# KiCad board led_mapper_850.kicad_pcb (continued)
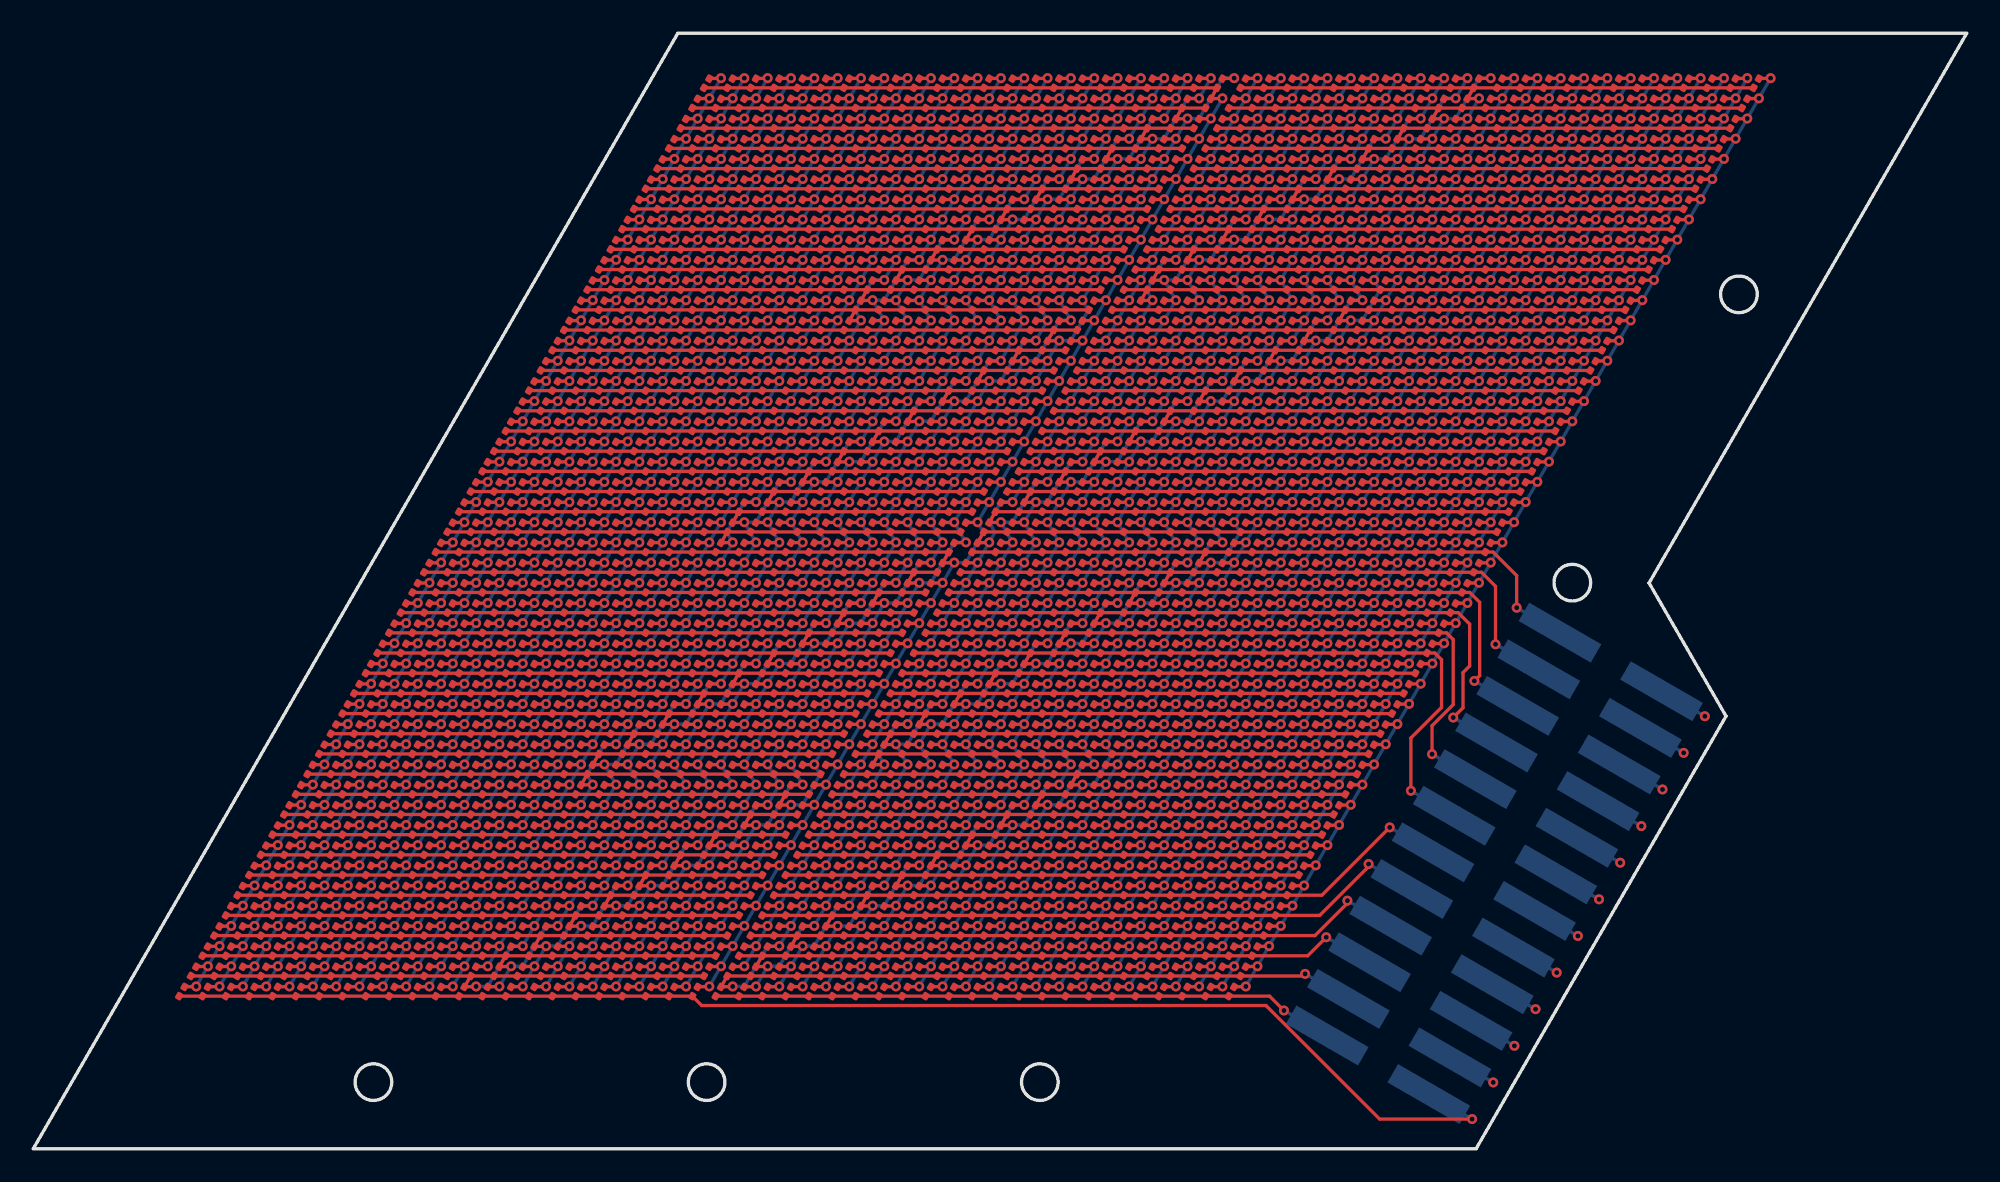
[diagram p0: board, top side]
## Routing (per net, layer and track width the routed paths; a pad name or vN(x,y) marks a point on that pad's centre or on a via; arc(x,y) is an arc through that point) (continued)
/P12: length 353.7
  Top w0.2: D1760.2 v1(27.28,13.38) ; D1622.2 v1(25.18,9.75) ; D104.2 v1(55.28,61.88) ; D426.2 v1(50.38,53.39) ; D886.2 v1(46.18,46.12) ; v1(86.78,63.09) D80.2 D34.1 ; D634.2 v1(73.48,40.06) ; D1922.2 v1(60.88,18.23) ; v1(70.68,35.21) D1138.2 D1092.1 ; D1852.2 v1(28.68,15.81) ; D702.2 v1(43.38,41.27) ; D150.2 v1(54.58,60.67) ; D264.2 v1(83.98,58.24) ; D2014.2 v1(62.28,20.66) ; D2036.2 v1(31.48,20.66) ; D772.2 v1(75.58,43.69) ; D680.2 v1(74.18,41.27) ; v1(79.08,49.76) D1002.2 D1048.1 ; D1668.2 v1(25.88,10.96) ; D196.2 v1(53.88,59.46) ; D910.2 v1(77.68,47.33) ; D218.2 v1(84.68,59.46) ; D1830.2 v1(59.48,15.81) ; D1646.2 v1(56.68,10.96) ; D1116.2 v1(39.88,35.21) ; D380.2 v1(51.08,54.61) ; D1036.1 D1058.1 ; D1322.2 v1(67.88,30.36) ; D288.2 v1(52.48,57.03) ; D748.2 v1(44.08,42.48) ; D1208.2 v1(38.48,32.78) ; D1898.2 v1(29.38,17.02) ; D588.2 v1(72.78,38.84) ; D542.2 v1(72.08,37.63) ; D1484.2 v1(34.28,25.51) ; D1460.2 v1(65.78,26.72) ; D794.2 v1(44.78,43.69) ; D24.1 D46.1 ; D726.2 v1(74.88,42.48) ; D518.2 v1(48.98,50.97) ; D448.2 v1(81.18,53.39) ; D864.2 v1(76.98,46.12) ; D1300.2 v1(37.08,30.36) ; v1(62.98,21.87) D2060.2 D2106.1 ; D1600.2 v1(55.98,9.75) ; D1230.2 v1(69.28,32.78) ; D2094.1 D2116.1 ; D1944.2 v1(30.08,18.23) ; D1506.2 v1(65.08,25.51) ; D126.2 v1(86.08,61.88) ; D12.2 v1(56.68,64.31) ; D1392.2 v1(35.68,27.93) ; D334.2 v1(51.78,55.82) ; D1368.2 v1(67.18,29.15) ; D1806.2 v1(27.98,14.6) ; D1346.2 v1(36.38,29.15) ; D932.2 v1(46.88,47.33) ; D818.2 v1(76.28,44.91) ; D610.2 v1(41.98,38.84) ; D1552.2 v1(64.38,24.3) ; v1(89.04,32.5) 89.04,34.43 87.62,35.84 D1104.1 D1082.1 ; D656.2 v1(42.68,40.06) ; D1414.2 v1(66.48,27.93) ; D494.2 v1(80.48,52.18) ; D58.2 v1(55.98,63.09) ; D402.2 v1(81.88,54.61) ; D956.2 v1(78.38,48.54) ; D1784.2 v1(58.78,14.6) ; D1990.2 v1(30.78,19.45) ; D310.2 v1(83.28,57.03) ; D1714.2 v1(26.58,12.17) ; D1162.2 v1(39.18,33.99) ; D1692.2 v1(57.38,12.17) ; D1876.2 v1(60.18,17.02) ; D172.2 v1(85.38,60.67) ; D1070.2 v1(40.58,36.42) ; D472.2 v1(49.68,52.18) ; D1576.2 v1(32.88,23.08) ; D1276.2 v1(68.58,31.57) ; D978.2 v1(47.58,48.54) ; D1530.2 v1(33.58,24.3) ; D1738.2 v1(58.08,13.38) ; D840.2 v1(45.48,44.91) ; D242.2 v1(53.18,58.24) ; D564.2 v1(41.28,37.63) ; D1968.2 v1(61.58,19.45) ; D1254.2 v1(37.78,31.57) ; D1184.2 v1(69.98,33.99) ; D1024.2 v1(48.28,49.76) ; D356.2 v1(82.58,55.82) ; D1438.2 v1(34.98,26.72) ; D2082.2 v1(32.18,21.87)
  In2.Cu w0.2: v1(78.38,48.54) 78.03,49.15 47.93,49.15 v1(47.58,48.54)
  Bottom w0.2: J1.12 v1(89.04,32.5) ; v1(55.98,9.75) v1(62.98,21.87) 63.68,21.87 64.73,23.69 v1(64.38,24.3) v1(70.68,35.21) 71.38,35.21 72.43,37.03 v1(72.08,37.63) v1(79.08,49.76) 79.78,49.76 80.83,51.58 v1(80.48,52.18) v1(86.78,63.09) ; v1(56.68,64.31) v1(25.18,9.75)
/P13: length 431
  Top w0.2: D839.2 v1(46.88,44.91) ; D81.2 v1(88.18,63.09) ; D1047.2 v1(81.18,50.97) ; D151.2 v1(55.98,60.67) ; D1093.2 v1(72.78,36.42) ; D793.2 v1(46.18,43.69) ; D817.2 v1(77.68,44.91) ; D219.2 v1(86.08,59.46) ; D1565.1 D1587.1 ; v1(86.36,1.78) 80.81,1.78 73.99,8.6 40.12,8.6 D1611.1 D1633.1 ; D507.1 D529.1 ; D1323.2 v1(69.28,30.36) ; D1277.2 v1(69.98,31.57) ; D679.2 v1(75.58,41.27) ; D1599.2 v1(57.38,9.75) ; D771.2 v1(76.98,43.69) ; D449.2 v1(82.58,53.39) ; D1209.2 v1(39.88,32.78) ; D1255.2 v1(39.18,31.57) ; D13.2 v1(58.08,64.31) ; D1231.2 v1(70.68,32.78) ; D289.2 v1(53.88,57.03) ; D427.2 v1(51.78,53.39) ; D35.2 v1(88.88,64.31) ; D1415.2 v1(67.88,27.93) ; D1805.2 v1(29.38,14.6) ; D473.2 v1(51.08,52.18) ; v1(41.98,36.42) D1071.2 D563.1 ; D105.2 v1(56.68,61.88) ; D495.2 v1(81.88,52.18) ; D127.2 v1(87.48,61.88) ; D519.1 D1023.2 v1(49.68,49.76) ; D1369.2 v1(68.58,29.15) ; D885.2 v1(47.58,46.12) ; D1185.2 v1(71.38,33.99) ; D955.2 v1(79.78,48.54) ; D725.2 v1(76.28,42.48) ; D2035.2 v1(32.88,20.66) ; D1001.2 v1(80.48,49.76) ; D2105.2 v1(65.08,23.08) ; D2059.2 v1(64.38,21.87) ; v1(33.58,21.87) D2081.2 D1577.1 ; D1667.2 v1(27.28,10.96) ; D311.2 v1(84.68,57.03) ; D1943.2 v1(31.48,18.23) ; D265.2 v1(85.38,58.24) ; D1531.2 v1(34.98,24.3) ; D655.2 v1(44.08,40.06) ; D1645.2 v1(58.08,10.96) ; D1301.2 v1(38.48,30.36) ; D357.2 v1(83.98,55.82) ; D1461.2 v1(67.18,26.72) ; D1139.2 v1(72.08,35.21) ; D541.2 v1(73.48,37.63) ; D609.2 v1(43.38,38.84) ; D2013.2 v1(63.68,20.66) ; D335.2 v1(53.18,55.82) ; D553.1 D575.1 ; D1553.2 v1(65.78,24.3) ; D1967.2 v1(62.98,19.45) ; D701.2 v1(44.78,41.27) ; D1829.2 v1(60.88,15.81) ; D587.2 v1(74.18,38.84) ; D1691.2 v1(58.78,12.17) ; D1851.2 v1(30.08,15.81) ; D1875.2 v1(61.58,17.02) ; D1783.2 v1(60.18,14.6) ; D1989.2 v1(32.18,19.45) ; D59.2 v1(57.38,63.09) ; D1921.2 v1(62.28,18.23) ; D173.2 v1(86.78,60.67) ; D1897.2 v1(30.78,17.02) ; D909.2 v1(79.08,47.33) ; D381.2 v1(52.48,54.61) ; D633.2 v1(74.88,40.06) ; D1759.2 v1(28.68,13.38) ; D1163.2 v1(40.58,33.99) ; D1737.2 v1(59.48,13.38) ; D403.2 v1(83.28,54.61) ; D1713.2 v1(27.98,12.17) ; D243.2 v1(54.58,58.24) ; D1347.2 v1(37.78,29.15) ; D977.2 v1(48.98,48.54) ; D1507.2 v1(66.48,25.51) ; D863.2 v1(78.38,46.12) ; D1393.2 v1(37.08,27.93) ; D197.2 v1(55.28,59.46) ; D1117.2 v1(41.28,35.21) ; D747.2 v1(45.48,42.48) ; D1439.2 v1(36.38,26.72) ; D1485.2 v1(35.68,25.51) ; D931.2 v1(48.28,47.33)
  In2.Cu w0.2: v1(80.48,49.76) 80.13,50.36 50.03,50.36 v1(49.68,49.76) ; v1(65.78,24.3) 65.43,23.69 73.83,9.14 74.43,7.2 v1(86.36,1.78)
  Bottom w0.2: v1(88.88,64.31) v1(57.38,9.75) ; v1(27.28,10.96) v1(33.58,21.87) 33.23,22.48 34.28,24.3 v1(34.98,24.3) v1(41.98,36.42) 41.63,37.03 42.68,38.84 v1(43.38,38.84) v1(49.68,49.76) 49.33,50.36 50.38,52.18 v1(51.08,52.18) v1(58.08,64.31) ; J1.13 v1(86.36,1.78)
/P14: length 386.3
  Top w0.2: D1462.2 v1(68.58,26.72) ; D1667.1 D1621.2 v1(26.58,9.75) ; D1278.2 v1(71.38,31.57) ; D1712.2 v1(29.38,12.17) ; D266.2 v1(86.78,58.24) ; D450.2 v1(83.98,53.39) ; v1(42.68,37.63) D563.2 D609.1 ; D1370.2 v1(69.98,29.15) ; D1942.2 v1(32.88,18.23) ; D1416.2 v1(69.28,27.93) ; D1644.2 v1(59.48,10.96) ; D1000.2 v1(81.88,49.76) ; D60.2 v1(58.78,63.09) ; D1348.2 v1(39.18,29.15) ; D1966.2 v1(64.38,19.45) ; D1022.2 v1(51.08,49.76) ; D724.2 v1(77.68,42.48) ; D382.2 v1(53.88,54.61) ; D1186.2 v1(72.78,33.99) ; D1598.2 v1(58.78,9.75) ; D678.2 v1(76.98,41.27) ; D1232.2 v1(72.08,32.78) ; D1440.2 v1(37.78,26.72) ; D1210.2 v1(41.28,32.78) ; D1140.2 v1(73.48,35.21) ; D1554.2 v1(67.18,24.3) ; D792.2 v1(47.58,43.69) ; D336.2 v1(54.58,55.82) ; D1736.2 v1(60.88,13.38) ; D2034.2 v1(34.28,20.66) ; D106.2 v1(58.08,61.88) ; D496.2 v1(83.28,52.18) ; D461.1 D483.1 ; D128.2 v1(88.88,61.88) ; D82.2 v1(89.58,63.09) ; D1118.2 v1(42.68,35.21) ; D599.1 D621.1 ; D838.2 v1(48.28,44.91) ; D473.1 D519.2 v1(50.38,50.97) ; D152.2 v1(57.38,60.67) ; D700.2 v1(46.18,41.27) ; D1302.2 v1(39.88,30.36) ; D1046.2 v1(82.58,50.97) ; D1394.2 v1(38.48,27.93) ; D36.2 v1(90.28,64.31) ; D632.2 v1(76.28,40.06) ; D862.2 v1(79.78,46.12) ; D2058.2 v1(65.78,21.87) ; D1486.2 v1(37.08,25.51) ; D1508.2 v1(67.88,25.51) ; D586.2 v1(75.58,38.84) ; D1531.1 D1577.2 v1(34.28,23.08) ; D2104.2 v1(66.48,23.08) ; D290.2 v1(55.28,57.03) ; D244.2 v1(55.98,58.24) ; D1804.2 v1(30.78,14.6) ; D1850.2 v1(31.48,15.81) ; D1874.2 v1(62.98,17.02) ; D1519.1 D1541.1 ; D1782.2 v1(61.58,14.6) ; D1896.2 v1(32.18,17.02) ; D1094.2 v1(74.18,36.42) ; D428.2 v1(53.18,53.39) ; D540.2 v1(74.88,37.63) ; D1072.2 v1(43.38,36.42) ; D220.2 v1(87.48,59.46) ; D174.2 v1(88.18,60.67) ; D198.2 v1(56.68,59.46) ; D358.2 v1(85.38,55.82) ; D908.2 v1(80.48,47.33) ; D1828.2 v1(62.28,15.81) ; D2080.2 v1(34.98,21.87) ; D930.2 v1(49.68,47.33) ; D884.2 v1(48.98,46.12) ; D976.2 v1(50.38,48.54) ; D1920.2 v1(63.68,18.23) ; D1988.2 v1(33.58,19.45) ; D2012.2 v1(65.08,20.66) ; D1758.2 v1(30.08,13.38) ; D312.2 v1(86.08,57.03) ; D746.2 v1(46.88,42.48) ; D1324.2 v1(70.68,30.36) ; D1164.2 v1(41.98,33.99) ; D14.2 v1(59.48,64.31) ; D770.2 v1(78.38,43.69) ; D1657.1 D1679.1 ; D1690.2 v1(60.18,12.17) ; D654.2 v1(45.48,40.06) ; D404.2 v1(84.68,54.61) ; D816.2 v1(79.08,44.91) ; D954.2 v1(81.18,48.54) ; D1256.2 v1(40.58,31.57)
  In2.Cu w0.2: v1(87.63,3.98) 75.7,9.4 74.53,10.35 66.83,23.69 v1(67.18,24.3) ; v1(82.58,50.97) 82.23,51.58 50.73,51.58 v1(50.38,50.97)
  Bottom w0.2: v1(59.48,64.31) v1(53.18,53.39) 52.48,53.39 51.08,50.97 v1(50.38,50.97) v1(51.08,49.76) v1(45.48,40.06) 44.78,40.06 43.38,37.63 v1(42.68,37.63) v1(43.38,36.42) v1(37.08,25.51) 36.38,25.51 34.98,23.08 v1(34.28,23.08) v1(34.98,21.87) v1(29.38,12.17) 28.68,12.17 27.28,9.75 v1(26.58,9.75) ; v1(90.28,64.31) v1(58.78,9.75) ; J1.14 v1(87.63,3.98)
/P15: length 385.1
  Top w0.2: D1620.2 v1(27.98,9.75) ; D359.2 v1(86.78,55.82) ; D1417.2 v1(70.68,27.93) ; D631.2 v1(77.68,40.06) ; D907.2 v1(81.88,47.33) ; D313.2 v1(87.48,57.03) ; D1165.2 v1(43.38,33.99) ; D1597.2 v1(60.18,9.75) ; D1941.2 v1(34.28,18.23) ; D1473.1 D1495.1 ; D497.2 v1(84.68,52.18) ; D645.1 D667.1 ; D791.2 v1(48.98,43.69) ; D929.2 v1(51.08,47.33) ; D245.2 v1(57.38,58.24) ; D107.2 v1(59.48,61.88) ; D1965.2 v1(65.78,19.45) ; D1119.2 v1(44.08,35.21) ; D861.2 v1(81.18,46.12) ; D699.2 v1(47.58,41.27) ; D999.2 v1(83.28,49.76) ; D1555.2 v1(68.58,24.3) ; D1095.2 v1(75.58,36.42) ; D1325.2 v1(72.08,30.36) ; D745.2 v1(48.28,42.48) ; D837.2 v1(49.68,44.91) ; D1257.2 v1(41.98,31.57) ; D1703.1 D1725.1 ; D2011.2 v1(66.48,20.66) ; D1371.2 v1(71.38,29.15) ; D654.1 D608.2 v1(44.78,38.84) ; D1279.2 v1(72.78,31.57) ; D1919.2 v1(65.08,18.23) ; D1757.2 v1(31.48,13.38) ; D1211.2 v1(42.68,32.78) ; v1(36.38,24.3) D1532.2 D1486.1 ; D1643.2 v1(60.88,10.96) ; D221.2 v1(88.88,59.46) ; D562.2 v1(44.08,37.63) ; D1141.2 v1(74.88,35.21) ; D428.1 D474.2 v1(52.48,52.18) ; D199.2 v1(58.08,59.46) ; D723.2 v1(79.08,42.48) ; D953.2 v1(82.58,48.54) ; D2057.2 v1(67.18,21.87) ; D1045.2 v1(83.98,50.97) ; D1073.2 v1(44.78,36.42) ; D337.2 v1(55.98,55.82) ; D1349.2 v1(40.58,29.15) ; D2079.2 v1(36.38,21.87) ; D1021.2 v1(52.48,49.76) ; D1689.2 v1(61.58,12.17) ; D1441.2 v1(39.18,26.72) ; D585.2 v1(76.98,38.84) ; D1849.2 v1(32.88,15.81) ; D1827.2 v1(63.68,15.81) ; D677.2 v1(78.38,41.27) ; D520.2 v1(51.78,50.97) ; D1463.2 v1(69.98,26.72) ; D1509.2 v1(69.28,25.51) ; D405.2 v1(86.08,54.61) ; D769.2 v1(79.78,43.69) ; D1873.2 v1(64.38,17.02) ; D61.2 v1(60.18,63.09) ; D83.2 v1(90.98,63.09) ; D1803.2 v1(32.18,14.6) ; D2033.2 v1(35.68,20.66) ; D1987.2 v1(34.98,19.45) ; D1233.2 v1(73.48,32.78) ; D1187.2 v1(74.18,33.99) ; D37.2 v1(91.68,64.31) ; D975.2 v1(51.78,48.54) ; D383.2 v1(55.28,54.61) ; D451.2 v1(85.38,53.39) ; D175.2 v1(89.58,60.67) ; v1(28.68,10.96) D1666.2 D1712.1 ; D539.2 v1(76.28,37.63) ; D2103.2 v1(67.88,23.08) ; D1895.2 v1(33.58,17.02) ; D1781.2 v1(62.98,14.6) ; D15.2 v1(60.88,64.31) ; D291.2 v1(56.68,57.03) ; D1303.2 v1(41.28,30.36) ; D1395.2 v1(39.88,27.93) ; D267.2 v1(88.18,58.24) ; D1735.2 v1(62.28,13.38) ; D883.2 v1(50.38,46.12) ; D415.1 D437.1 ; D1578.2 v1(35.68,23.08) ; D153.2 v1(58.78,60.67) ; D815.2 v1(80.48,44.91) ; D129.2 v1(90.28,61.88)
  In2.Cu w0.2: v1(88.9,6.18) 76.97,11.6 75.23,11.56 68.23,23.69 v1(68.58,24.3) ; v1(52.48,52.18) 52.83,52.79 84.33,52.79 v1(84.68,52.18)
  Bottom w0.2: v1(91.68,64.31) v1(60.18,9.75) ; J1.15 v1(88.9,6.18) ; v1(27.98,9.75) v1(28.68,10.96) 29.38,10.96 30.78,13.38 v1(31.48,13.38) v1(36.38,21.87) v1(35.68,23.08) v1(36.38,24.3) 37.08,24.3 38.48,26.72 v1(39.18,26.72) v1(44.78,36.42) v1(44.08,37.63) v1(44.78,38.84) 45.48,38.84 46.88,41.27 v1(47.58,41.27) v1(52.48,49.76) v1(51.78,50.97) v1(52.48,52.18) 53.18,52.18 54.58,54.61 v1(55.28,54.61) v1(60.88,64.31)
/P16: length 382.9
  Top w0.2: D1044.2 v1(85.38,50.97) ; D561.2 v1(45.48,37.63) ; v1(38.48,25.51) D1487.2 D1441.1 ; D1596.2 v1(61.58,9.75) ; D2010.2 v1(67.88,20.66) ; D2032.2 v1(37.08,20.66) ; v1(46.88,40.06) D653.2 D699.1 ; D630.2 v1(79.08,40.06) ; D1780.2 v1(64.38,14.6) ; D406.2 v1(87.48,54.61) ; D1848.2 v1(34.28,15.81) ; D1688.2 v1(62.98,12.17) ; D2056.2 v1(68.58,21.87) ; D200.2 v1(59.48,59.46) ; D1418.2 v1(72.08,27.93) ; D1757.1 D1711.2 v1(30.78,12.17) ; D1802.2 v1(33.58,14.6) ; D882.2 v1(51.78,46.12) ; D974.2 v1(53.18,48.54) ; D1212.2 v1(44.08,32.78) ; D1665.2 v1(30.08,10.96) ; D1166.2 v1(44.78,33.99) ; D1872.2 v1(65.78,17.02) ; D452.2 v1(86.78,53.39) ; D292.2 v1(58.08,57.03) ; D2102.2 v1(69.28,23.08) ; D338.2 v1(57.38,55.82) ; D176.2 v1(90.98,60.67) ; v1(54.58,53.39) D429.2 D383.1 ; D1396.2 v1(41.28,27.93) ; D836.2 v1(51.08,44.91) ; D1304.2 v1(42.68,30.36) ; D1188.2 v1(75.58,33.99) ; D722.2 v1(80.48,42.48) ; D768.2 v1(81.18,43.69) ; D498.2 v1(86.08,52.18) ; D1619.2 v1(29.38,9.75) ; D1258.2 v1(43.38,31.57) ; D1280.2 v1(74.18,31.57) ; D860.2 v1(82.58,46.12) ; D1142.2 v1(76.28,35.21) ; D1894.2 v1(34.98,17.02) ; D952.2 v1(83.98,48.54) ; D1940.2 v1(35.68,18.23) ; D1372.2 v1(72.78,29.15) ; D360.2 v1(88.18,55.82) ; D475.2 v1(53.88,52.18) ; D1642.2 v1(62.28,10.96) ; D790.2 v1(50.38,43.69) ; D1427.1 D1449.1 ; D108.2 v1(60.88,61.88) ; D1350.2 v1(41.98,29.15) ; D222.2 v1(90.28,59.46) ; D814.2 v1(81.88,44.91) ; D1826.2 v1(65.08,15.81) ; D1326.2 v1(73.48,30.36) ; D246.2 v1(58.78,58.24) ; D998.2 v1(84.68,49.76) ; D130.2 v1(91.68,61.88) ; D1556.2 v1(69.98,24.3) ; D1579.2 v1(37.08,23.08) ; D84.2 v1(92.38,63.09) ; D538.2 v1(77.68,37.63) ; D1734.2 v1(63.68,13.38) ; D1074.2 v1(46.18,36.42) ; D369.1 D391.1 ; D1120.2 v1(45.48,35.21) ; D584.2 v1(78.38,38.84) ; D691.1 D713.1 ; D38.2 v1(93.08,64.31) ; D62.2 v1(61.58,63.09) ; D314.2 v1(88.88,57.03) ; D1533.2 v1(37.78,24.3) ; D1020.2 v1(53.88,49.76) ; D676.2 v1(79.78,41.27) ; D16.2 v1(62.28,64.31) ; D521.2 v1(53.18,50.97) ; D1510.2 v1(70.68,25.51) ; D607.2 v1(46.18,38.84) ; D906.2 v1(83.28,47.33) ; D928.2 v1(52.48,47.33) ; D268.2 v1(89.58,58.24) ; D1964.2 v1(67.18,19.45) ; D1464.2 v1(71.38,26.72) ; D1234.2 v1(74.88,32.78) ; D1986.2 v1(36.38,19.45) ; D2078.2 v1(37.78,21.87) ; D1918.2 v1(66.48,18.23) ; D1096.2 v1(76.98,36.42) ; D154.2 v1(60.18,60.67) ; D1749.1 D1771.1 ; D744.2 v1(49.68,42.48)
  In2.Cu w0.2: v1(86.78,53.39) 86.43,54 54.93,54 v1(54.58,53.39) ; v1(69.98,24.3) 70.68,24.3 76.63,13.99 78.24,13.8 v1(90.17,8.38)
  Bottom w0.2: v1(93.08,64.31) v1(61.58,9.75) ; v1(29.38,9.75) v1(30.78,12.17) 31.48,12.17 32.88,14.6 v1(33.58,14.6) v1(37.78,21.87) v1(37.08,23.08) v1(38.48,25.51) 39.18,25.51 40.58,27.93 v1(41.28,27.93) v1(46.18,36.42) v1(45.48,37.63) v1(46.88,40.06) 47.58,40.06 48.98,42.48 v1(49.68,42.48) v1(53.88,49.76) v1(53.18,50.97) v1(54.58,53.39) 55.28,53.39 56.68,55.82 v1(57.38,55.82) v1(62.28,64.31) ; J1.16 v1(90.17,8.38)
/P17: length 381.4
  Top w0.2: D1802.1 D1756.2 v1(32.88,13.38) ; D1985.2 v1(37.78,19.45) ; D721.2 v1(81.88,42.48) ; D813.2 v1(83.28,44.91) ; D927.2 v1(53.88,47.33) ; D606.2 v1(47.58,38.84) ; D1534.2 v1(39.18,24.3) ; D1795.1 D1817.1 ; D1419.2 v1(73.48,27.93) ; D1351.2 v1(43.38,29.15) ; D2077.2 v1(39.18,21.87) ; D905.2 v1(84.68,47.33) ; D560.2 v1(46.88,37.63) ; D973.2 v1(54.58,48.54) ; D675.2 v1(81.18,41.27) ; D1327.2 v1(74.88,30.36) ; D201.2 v1(60.88,59.46) ; D1641.2 v1(63.68,10.96) ; D63.2 v1(62.98,63.09) ; D293.2 v1(59.48,57.03) ; D407.2 v1(88.88,54.61) ; D1871.2 v1(67.18,17.02) ; D1259.2 v1(44.78,31.57) ; D323.1 D345.1 ; D85.2 v1(93.78,63.09) ; D476.2 v1(55.28,52.18) ; D131.2 v1(93.08,61.88) ; D1779.2 v1(65.78,14.6) ; v1(56.68,54.61) D384.2 D338.1 ; D1595.2 v1(62.98,9.75) ; D2031.2 v1(38.48,20.66) ; D789.2 v1(51.78,43.69) ; D1687.2 v1(64.38,12.17) ; D1488.2 v1(39.88,25.51) ; D1213.2 v1(45.48,32.78) ; D1281.2 v1(75.58,31.57) ; D1664.2 v1(31.48,10.96) ; D177.2 v1(92.38,60.67) ; D2055.2 v1(69.98,21.87) ; D1121.2 v1(46.88,35.21) ; D1019.2 v1(55.28,49.76) ; D1396.1 D1442.2 v1(40.58,26.72) ; D1043.2 v1(86.78,50.97) ; D269.2 v1(90.98,58.24) ; D1847.2 v1(35.68,15.81) ; D737.1 D759.1 ; D1189.2 v1(76.98,33.99) ; D247.2 v1(60.18,58.24) ; D1167.2 v1(46.18,33.99) ; D1710.2 v1(32.18,12.17) ; D1963.2 v1(68.58,19.45) ; D155.2 v1(61.58,60.67) ; D223.2 v1(91.68,59.46) ; D1917.2 v1(67.88,18.23) ; D1511.2 v1(72.08,25.51) ; D1097.2 v1(78.38,36.42) ; D1580.2 v1(38.48,23.08) ; D537.2 v1(79.08,37.63) ; D1618.2 v1(30.78,9.75) ; D951.2 v1(85.38,48.54) ; D1893.2 v1(36.38,17.02) ; D2009.2 v1(69.28,20.66) ; D499.2 v1(87.48,52.18) ; D1465.2 v1(72.78,26.72) ; D315.2 v1(90.28,57.03) ; D629.2 v1(80.48,40.06) ; D453.2 v1(88.18,53.39) ; D430.2 v1(55.98,53.39) ; D522.2 v1(54.58,50.97) ; D1143.2 v1(77.68,35.21) ; D1939.2 v1(37.08,18.23) ; D1235.2 v1(76.28,32.78) ; D1557.2 v1(71.38,24.3) ; D109.2 v1(62.28,61.88) ; D361.2 v1(89.58,55.82) ; v1(48.98,41.27) D698.2 D744.1 ; D1305.2 v1(44.08,30.36) ; D1733.2 v1(65.08,13.38) ; D39.2 v1(94.48,64.31) ; D1373.2 v1(74.18,29.15) ; D997.2 v1(86.08,49.76) ; D17.2 v1(63.68,64.31) ; D2101.2 v1(70.68,23.08) ; D1075.2 v1(47.58,36.42) ; D835.2 v1(52.48,44.91) ; D859.2 v1(83.98,46.12) ; D881.2 v1(53.18,46.12) ; D767.2 v1(82.58,43.69) ; D1381.1 D1403.1 ; D583.2 v1(79.78,38.84) ; D1825.2 v1(66.48,15.81) ; D652.2 v1(48.28,40.06)
  In2.Cu w0.2: v1(91.44,10.58) 79.51,16 78.03,16.41 72.78,25.51 v1(72.08,25.51) ; v1(56.68,54.61) 57.03,55.21 88.53,55.21 v1(88.88,54.61)
  Bottom w0.2: v1(63.68,64.31) v1(59.48,57.03) 58.78,57.03 57.38,54.61 v1(56.68,54.61) v1(54.58,50.97) v1(55.28,49.76) v1(51.78,43.69) 51.08,43.69 49.68,41.27 v1(48.98,41.27) v1(46.88,37.63) v1(47.58,36.42) v1(43.38,29.15) 42.68,29.15 41.28,26.72 v1(40.58,26.72) v1(38.48,23.08) v1(39.18,21.87) v1(35.68,15.81) 34.98,15.81 33.58,13.38 v1(32.88,13.38) v1(30.78,9.75) ; J1.17 v1(91.44,10.58) ; v1(94.48,64.31) v1(62.98,9.75)
/P18: length 380
  Top w0.2: D582.2 v1(81.18,38.84) ; D559.2 v1(48.28,37.63) ; D1709.2 v1(33.58,12.17) ; D277.1 D299.1 ; D1824.2 v1(67.88,15.81) ; D950.2 v1(86.78,48.54) ; D605.2 v1(48.98,38.84) ; D1236.2 v1(77.68,32.78) ; D1778.2 v1(67.18,14.6) ; D697.2 v1(50.38,41.27) ; D1260.2 v1(46.18,31.57) ; D523.2 v1(55.98,50.97) ; D1984.2 v1(39.18,19.45) ; D1489.2 v1(41.28,25.51) ; D1018.2 v1(56.68,49.76) ; D86.2 v1(95.18,63.09) ; D1351.1 D1397.2 v1(42.68,27.93) ; D1144.2 v1(79.08,35.21) ; D362.2 v1(90.98,55.82) ; D454.2 v1(89.58,53.39) ; D536.2 v1(80.48,37.63) ; D1938.2 v1(38.48,18.23) ; D1558.2 v1(72.78,24.3) ; v1(51.08,42.48) D743.2 D789.1 ; D783.1 D805.1 ; D1420.2 v1(74.88,27.93) ; D1076.2 v1(48.98,36.42) ; D812.2 v1(84.68,44.91) ; D431.2 v1(57.38,53.39) ; D674.2 v1(82.58,41.27) ; D500.2 v1(88.88,52.18) ; D316.2 v1(91.68,57.03) ; D996.2 v1(87.48,49.76) ; D408.2 v1(90.28,54.61) ; D1732.2 v1(66.48,13.38) ; D40.2 v1(95.88,64.31) ; D2076.2 v1(40.58,21.87) ; D1512.2 v1(73.48,25.51) ; D880.2 v1(54.58,46.12) ; D1847.1 D1801.2 v1(34.98,14.6) ; D766.2 v1(83.98,43.69) ; D224.2 v1(93.08,59.46) ; D1594.2 v1(64.38,9.75) ; D132.2 v1(94.48,61.88) ; D2054.2 v1(71.38,21.87) ; D1214.2 v1(46.88,32.78) ; D1374.2 v1(75.58,29.15) ; D1306.2 v1(45.48,30.36) ; D1916.2 v1(69.28,18.23) ; D156.2 v1(62.98,60.67) ; D270.2 v1(92.38,58.24) ; v1(58.78,55.82) D339.2 D293.1 ; D477.2 v1(56.68,52.18) ; D1122.2 v1(48.28,35.21) ; D1686.2 v1(65.78,12.17) ; D2008.2 v1(70.68,20.66) ; D1168.2 v1(47.58,33.99) ; D1640.2 v1(65.08,10.96) ; D1443.2 v1(41.98,26.72) ; D926.2 v1(55.28,47.33) ; D64.2 v1(64.38,63.09) ; D858.2 v1(85.38,46.12) ; D385.2 v1(58.08,54.61) ; D1962.2 v1(69.98,19.45) ; D1581.2 v1(39.88,23.08) ; D1892.2 v1(37.78,17.02) ; D1466.2 v1(74.18,26.72) ; D1663.2 v1(32.88,10.96) ; D1841.1 D1863.1 ; D18.2 v1(65.08,64.31) ; D202.2 v1(62.28,59.46) ; D904.2 v1(86.08,47.33) ; D1870.2 v1(68.58,17.02) ; D2100.2 v1(72.08,23.08) ; D110.2 v1(63.68,61.88) ; D1535.2 v1(40.58,24.3) ; D1282.2 v1(76.98,31.57) ; D651.2 v1(49.68,40.06) ; D972.2 v1(55.98,48.54) ; D834.2 v1(53.88,44.91) ; D1335.1 D1357.1 ; D1042.2 v1(88.18,50.97) ; D720.2 v1(83.28,42.48) ; D1098.2 v1(79.78,36.42) ; D248.2 v1(61.58,58.24) ; D178.2 v1(93.78,60.67) ; D628.2 v1(81.88,40.06) ; D1328.2 v1(76.28,30.36) ; D2030.2 v1(39.88,20.66) ; D1617.2 v1(32.18,9.75) ; D1190.2 v1(78.38,33.99) ; D1755.2 v1(34.28,13.38)